# Allegro board RV1106G_COREDLOC_SL_V12_20220907LXF.brd (continued)
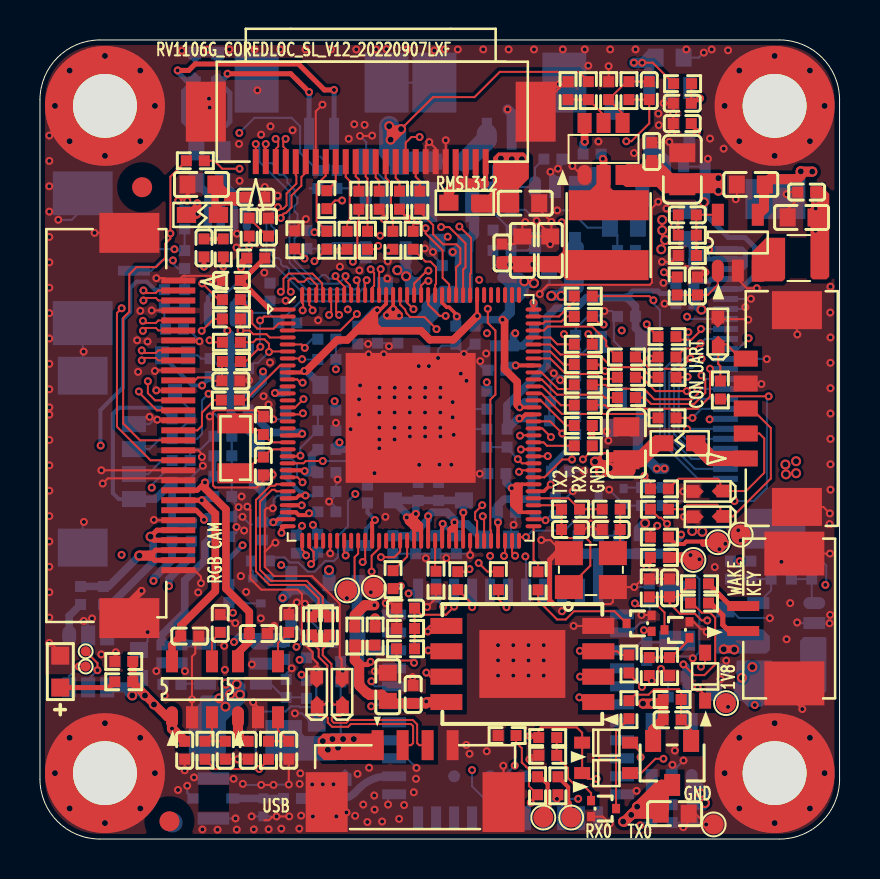
[diagram p0: board, top side]
## Routing (per net, layer and track width the routed paths; a pad name or vN(x,y) marks a point on that pad's centre or on a via; arc(x,y) is an arc through that point) (continued)
N17774412: length 7.7
  TOP w0.102: v1(5.4,22.92) 5.4,22.32 5.76,21.96 J4700.13 ; v1(8.09,25.44) 8.69,26.04 R4700.2
  L4_SIG w0.102: v1(8.09,25.44) 7.76,25.44 7.35,25.03 7.35,24.32 5.96,22.93 5.41,22.93 v1(5.4,22.92)
N17774438: length 8.5
  TOP w0.102: J4700.14 5.85,21.46 4.95,22.36 v1(4.95,22.4) ; v1(8.48,24.97) 8.59,24.87 R4701.2
  L4_SIG w0.102: v1(4.95,22.4) 4.95,22.04 5.05,21.94 5.9,21.94 8.48,24.52 v1(8.48,24.97)
N17774440: length 3.2
  TOP w0.102: J4700.16 7.87,20.46 8.1,20.69 8.1,21.35 8.73,21.97 R4702.2
N17774454: length 16.6
  TOP w0.102: J4700.19 5.53,18.96 3.85,20.64 3.85,26.33 v1(4.09,26.57) ; v1(8.12,27.81) 8.12,27.82 8.94,27 R4703.2
  L4_SIG w0.102: v1(8.12,27.81) 8.12,27.82 7.89,27.59 5.71,27.59 5.28,28.02 4.63,28.02 4.09,27.48 v1(4.09,26.57)
N17788428: length 3.1
  TOP w0.102: U1000.21 11.56,19.51 C1105.1 11.01,18.95 10.82,18.95 10.18,18.31 Y1101.2
N17788438: length 3
  TOP w0.102: Y1101.1 10.39,20.81 10.72,20.47 10.95,20.47 C1104.1 11.57,19.86 U1000.20
N17788440: length 4
  TOP w0.203: U1000.19 13.04,20.21 v1(13.12,20.28)
  BOTTOM w0.381: R1103.1 11.53,20.35 C1107.1 13.05,20.35 v1(13.12,20.28)
N17790176: length 2.3
  BOTTOM w0.102: R2603.1 R2601.2 38.61,11.94 U2600.1
N17790678: length 2.3
  BOTTOM w0.102: U2601.3 30.6,1.73 R2609.2 R2610.1
N17793080: length 2.2
  TOP w0.254: R8207.2 34.56,11.66 J8202.2
N17796273: length 14.4
  TOP w0.102: R5000.2 30.48,27.18 v1(30.69,26.97)
  BOTTOM w0.102: v1(30.69,26.97) 30.69,26.8 31.01,26.48 31.01,19.94 32.92,18.03 J5000.1
N17796299: length 15.5
  TOP w0.102: v1(28.19,25.76) 28.03,25.76 R5002.2
  L3_POW w0.102: v1(28.19,25.76) 28.19,25.32 28.83,24.68 31.52,24.68 32.22,25.38 v1(32.43,25.38)
  BOTTOM w0.102: v1(32.43,25.38) 32.43,24.73 31.25,23.55 31.25,20.04 32.75,18.53 J5000.2
N17796325: length 11
  TOP w0.102: v1(32.54,24.06) 32.02,23.54 30.49,23.54 30.17,23.86 30.17,23.86 29.89,24.13 R5003.2
  BOTTOM w0.102: v1(32.54,24.06) 32.2,24.06 31.48,23.35 31.48,20.13 32.58,19.03 J5000.3
N17796351: length 14.3
  TOP w0.102: R5004.2 27.63,25.08 v1(27.43,25.27)
  L3_POW w0.102: v1(27.43,25.27) 28.26,24.44 32.22,24.44 32.24,24.43 32.77,24.43 33.09,24.1 v1(33.09,24.04)
  BOTTOM w0.102: J5000.4 32.46,19.53 31.72,20.27 31.72,23.16 32.14,23.59 32.64,23.59 v1(33.09,24.04)
N17796377: length 6
  TOP w0.102: R5005.2 32.37,23.11 v1(32.4,23.14)
  BOTTOM w0.102: v1(32.4,23.14) 31.96,22.7 31.96,20.38 32.3,20.03 J5000.5
N17796403: length 8
  TOP w0.102: v1(28.26,23.42) 27.94,23.75 R5006.2
  L3_POW w0.102: v1(32.37,20.52) 32.23,20.52 29.33,23.42 v1(28.26,23.42)
  BOTTOM w0.102: v1(32.37,20.52) 32.38,20.53 J5000.6
N17796429: length 7.9
  TOP w0.102: v1(27.6,20.3) 27.63,20.32 R5007.2
  L3_POW w0.102: v1(27.6,20.3) 28.09,20.78 31.46,20.78 32.12,20.12 32.61,20.12 v1(33.5,21.01)
  BOTTOM w0.102: v1(33.5,21.01) 33.52,21.03 J5000.7
N17796455: length 2.7
  TOP w0.102: v1(32.64,21.08) R5001.2
  BOTTOM w0.102: J5000.8 33.09,21.53 v1(32.64,21.08)
N17796657: length 17.6
  TOP w0.102: v1(27.16,19) 27.44,19.28 27.44,19.5 R5012.2
  L3_POW w0.102: v1(27.16,19) 27.07,19.09 27.07,22.84 28.07,23.84 29.37,23.84 31.59,21.62 32.65,21.62 35.45,24.43 v1(35.45,25.07)
  BOTTOM w0.102: J5000.14 34.92,24.53 v1(35.45,25.07)
N17796683: length 2.8
  TOP w0.102: R5013.2 32.24,24.55 32.79,24.55 v1(33.05,24.81)
  BOTTOM w0.102: J5000.15 33.27,25.03 v1(33.05,24.81)
N17796709: length 2.8
  TOP w0.102: R5014.2 31.97,24.99 32.59,24.99 33.07,25.47 v1(33.07,25.53)
  BOTTOM w0.102: J5000.16 v1(33.07,25.53)
N17807227: length 2.8
  TOP w0.254: LED2600.1 3.45,7.58 R2606.1
N17813337: length 4.1
  TOP w0.102: R2612.2 R2613.2 25.85,4.12 26.42,3.56 26.42,3.05 26.75,2.72 27.15,2.72 27.57,2.3 Q2601.1
N17815019: length 2.6
  TOP w0.254: J8202.1 34.47,10.41 34.16,10.72 34.16,11.2 33.55,11.81 R8208.2
N17835338: length 11
  TOP w0.102: R6005.1 21.36,13.39 v1(21.49,13.51) ; v1(30.21,10.45) 30.28,10.45 30.34,10.39 Q6001.1
  L3_POW w0.102: v1(30.21,10.45) 29.97,10.45 27.44,12.99 23.34,12.99 22.96,13.37 21.63,13.37 v1(21.49,13.51)
N17835407: length 5.8
  TOP w0.102: 24.92,12.5 R6050.2 24.92,11.94 25.87,10.99 26.3,10.99 26.72,11.4 28.08,11.4 28.08,11.41 28.74,11.41 Q6001.3
N17848938: length 1.6
  TOP w0.381: v1(27.26,34.9) 27.24,34.91 U7001.6
  BOTTOM w0.381: C2504.1 27.18,34.82 v1(27.26,34.9)
N17868940: length 3.6
  TOP w0.102: J2501.5 35.06,24.05 34.34,24.77 ED2510.1 33.93,23.78 34.04,23.67 R2520.2
N17870565: length 1.9
  BOTTOM w0.102: D2604.1 12.65,10.87 12.9,10.61 12.9,10.58 13.06,10.43 13.06,10.25 R2611.1 13.23,9.98 12.87,9.62 v1(12.83,9.62)
N17870802: length 1.9
  BOTTOM w0.102: R2623.2 R2622.2 29.25,17.6 Q2621.1
N17871244: length 2.5
  TOP w0.102: R2621.2 R2620.2 31.57,9.09 32.49,10 Q2620.1
N17871360: length 33.4
  TOP w0.102: v1(24.49,5.16) 24.57,5.08 R2612.1 24.95,5.49 25.05,5.59 26.85,5.59 27.12,5.32 D2605.2 D2600.2 27.41,3.01 v1(27.85,3.01) ; D2603.2 33.27,7.2 v1(32.9,7.57)
  L3_POW w0.102: v1(27.85,3.01) 29.95,3.01 30.76,3.82 30.76,4.04 30.77,4.04 30.77,4.72 32.9,6.85 v1(32.9,7.57) ; v1(12.06,13.72) 12.17,13.72 13.67,12.21 13.67,11.66 15.55,9.78 15.55,7.05 16.46,6.15 23.37,6.15 24.36,5.16 v1(24.49,5.16)
  BOTTOM w0.102: D2604.2 12.57,13.31 12.17,13.72 v1(12.06,13.72)
N17903755: length 0.9
  BOTTOM w0.102: Q8201.1 10.65,13.4 10.57,13.48 R6003.2
N17951423: length 18.6
  TOP w0.102: v1(13.23,29.06) 12.75,29.54 R2013.1
  L4_SIG w0.102: v1(13.23,29.06) 13.23,28.4 14.74,26.89 18.77,26.89 19.04,26.62 20.95,26.62 21.29,26.29 21.29,25.32 21.59,25.01 21.59,23.53 22.26,22.87 v1(22.35,22.87)
  BOTTOM w0.102: U2004.5 16.29,29.6 16.06,29.83 14.65,29.83 R2012.2 C2019.2 13.36,29.18 v1(13.23,29.06) ; R2016.2 v1(22.35,22.87)
N17951485: length 3
  BOTTOM w0.102: R2016.1 C2025.1 R2017.1 R2015.2
N17951556: length 3.1
  BOTTOM w0.102: 13.49,32.57 R2011.2 C2024.1 16.07,32.57 16.29,32.35 U2004.1
N17953415: length 3.2
  TOP w0.203: v1(9.17,28.65) R7001.2
  BOTTOM w0.203: U7000.4 8.4,27.12 9.17,27.89 v1(9.17,28.65)
N17953417: length 4.5
  TOP w0.102: R7000.2 v1(10.46,29.67)
  BOTTOM w0.102: U7000.3 9.05,27.03 10.46,28.45 v1(10.46,29.67)
N18319359: length 2.5
  BOTTOM w0.381: ANT6000.1 L6001.1 C6000.2
N18319361: length 5
  BOTTOM w0.381: C6000.1 L6000.1 15.08,2.03 arc(15.43,2.1) 15.73,2.3 16,2.57 arc(16.63,2.99) 17.38,3.14 U6000.2
N20473470: length 1.6
  TOP w0.102: J4500.9 14.79,32.9 R4501.2
N20474650: length 3.9
  TOP w0.102: R4500.2 13.84,30.93 13.84,32.76 14.29,33.21 J4500.8
N20474674: length 3.6
  TOP w0.102: R4502.2 15.37,30.89 15.49,31.01 15.49,32.94 15.29,33.14 J4500.10
N20474698: length 1.5
  TOP w0.102: R4503.2 15.95,33.02 15.79,33.17 J4500.11
N20474729: length 3.5
  TOP w0.102: R4504.2 16.38,33.07 16.29,33.16 J4500.12
N20474753: length 1.6
  TOP w0.102: J4500.13 16.79,33.12 16.97,32.95 R4505.2
N20474777: length 3.6
  TOP w0.102: J4500.14 17.29,33.1 17.56,32.84 17.56,31.19 17.64,31.1 17.65,31.1 R4506.2
N20509787: length 5.6
  TOP w0.102: R2608.2 29.76,7.23 30.45,7.23 30.72,7.5 31.97,7.5 32.07,7.4 R2607.2 C2604.2 32.57,5.47 Q2600.1
N20509839: length 4.8
  TOP w0.102: R2608.1 28.82,5.38 Q2601.3
N20556813: length 2.4
  TOP w0.102: R4708.1 C4709.1 11.91,5.44 U4701.3
N22069287: length 2.4
  TOP w0.102: U4702.3 8.6,5.24 R4712.2 C4720.1
N22215533: length 3.5
  BOTTOM w0.102: U2600.5 36.58,12.45 R2604.1 R2602.2 C2600.2
N22236143: length 2.6
  BOTTOM w0.102: R4711.2 13.28,7.09 C4718.1 12.2,7.09 11.52,7.78 U4703.3

## Copper pours and planes (outline as drawn; the poured copper is in the pictures)
GND on TOP: 3,0.25 1.06,1.06 0.25,3 0.25,37 1.06,38.94 3,39.75 37,39.75 38.94,38.94 39.75,37 39.75,3 38.94,1.06 37,0.25 ; 14 cut-outs
GND on BOTTOM: 3,0.25 1.06,1.06 0.25,3 0.25,37 1.06,38.94 3,39.75 37,39.75 38.94,38.94 39.75,37 39.75,3 38.94,1.06 37,0.25 ; 12 cut-outs
GND on L2_GND: 3,0.25 1.06,1.06 0.25,3 0.25,37 1.06,38.94 3,39.75 37,39.75 38.94,38.94 39.75,37 39.75,3 38.94,1.06 37,0.25
GND on L3_POW: 3,0.25 1.06,1.06 0.25,3 0.25,37 1.06,38.94 3,39.75 37,39.75 38.94,38.94 39.75,37 39.75,3 38.94,1.06 37,0.25 ; 14 cut-outs
GND on L4_SIG: 3,0.25 1.06,1.06 0.25,3 0.25,37 1.06,38.94 3,39.75 37,39.75 38.94,38.94 39.75,37 39.75,3 38.94,1.06 37,0.25 ; 8 cut-outs
GND on L5_GND: 3,0.25 1.06,1.06 0.25,3 0.25,37 1.06,38.94 3,39.75 37,39.75 38.94,38.94 39.75,37 39.75,3 38.94,1.06 37,0.25 ; 2 cut-outs
VCC3V3_STB on BOTTOM (solid shape): 36.65,8.88 36.65,7.16 36.11,6.62 35.41,6.62 34.84,7.19 34.84,8.9 34.9,8.95 36.57,8.95
VCC3V8_SYS on TOP (solid shape): 29.44,29.11 29.44,28.42 29.01,27.98 26.33,27.98 25.92,28.4 23.9,28.4 23.78,28.52 22.92,28.52 22.83,28.61 22.83,28.98 23.03,29.18 25.91,29.18 26.2,29.47 29.09,29.47
VCC3V8_SYS on BOTTOM (solid shape): 36.51,10.15 36.51,9.46 36.34,9.28 33.87,9.28 33.84,9.31 33.84,10.43 33.91,10.5 36.16,10.5
VCC3V8_SYS on L4_SIG: 24.68,29.4 23.06,29.4 22.18,28.51 22.18,27.12 28.57,20.73 28.57,17.17 30.06,15.68 32.06,15.68 32.33,15.41 32.33,15.11 32.45,14.99 33.3,14.99 33.44,15.14 33.44,17.2 32.6,18.04 30.88,18.04 30.43,18.5 30.43,21.11 27.2,24.33 26.8,24.33 24.29,26.84 24.29,27.72 24.95,28.38 24.95,29.13
VCC3V8_SYS on L5_GND: 32.12,16.22 38.36,16.22 39.36,15.23 39.36,10.18 33.5,4.32 33.5,1.3 33.4,1.2 31.79,1.2 29.32,3.67 29.32,6.41 30.16,7.25 31.24,7.25 33.46,9.47 33.46,12.9 31.62,14.74 31.62,15.72
VCC5V0_USB on TOP (solid shape): 17.19,5.07 17.19,4.08 17.06,3.96 14.21,3.96 13.89,4.27 13.89,5.01 14.17,5.28 16.97,5.28
VCC5V0_USB on BOTTOM (solid shape): 13.09,5.31 13.24,5.16 14.4,5.16 14.55,5.31 15.97,5.31 16.3,4.98 16.3,4.17 16.22,4.09 14.99,4.09 14.82,3.93 11.29,3.93 11.29,3.92 11.29,5.95 13.09,5.95
VCC_DDR on TOP (solid shape): 39.48,32.3 39.48,28.16 39.34,28.02 38.66,28.02 38.55,28.13 38.55,30.66 38.51,30.7 38.51,31.54 38.58,31.61 38.58,32.68 39.1,32.68
VCC_DDR on L4_SIG: 19.18,15.77 18.29,15.77 18.16,15.9 18.16,16.52 19.2,17.55 24.15,17.55 27.32,14.38 34.14,14.38 36.62,16.86 36.62,31.87 37,32.25 38.92,32.25 39.09,32.09 39.09,14.8 33.94,9.66 22.86,9.66 20.24,12.28 20.24,15.25 20.42,15.43 20.42,15.98 20.33,16.07 19.48,16.07
VCC_SYS_S0 on TOP (solid shape): 24.46,34.12 24.46,33.07 23.96,32.58 23.96,31.36 23.96,31.36 21.67,31.36 21.59,31.44 21.59,32.25 22.32,32.25 22.33,32.24 22.42,32.24 22.67,32.49 22.67,34.12 22.92,34.37 24.2,34.37
VCC_SYS_S0 on L3_POW: 0.85,9.85 0.85,30.46 6.98,36.59 6.98,37.83 8.22,39.08 22.43,39.08 24.73,36.78 24.73,34.22 24.31,33.81 22.88,33.81 21.74,34.96 21.74,35.07 19.98,36.83 11.43,36.83 10.29,35.69 10.29,32.59 8.82,31.12 7.4,31.12 6.97,30.69 4.81,30.69 1.87,27.75 1.87,18.15 3.44,16.57 3.44,13.13 6.53,10.05 10.05,10.05 10.1,10 11.4,10 13.17,8.23 13.17,6.16 14.22,5.11 19.86,5.11 22.89,2.08 24.18,2.08 24.38,1.88 26.59,1.88 26.68,1.79 27.19,1.79 27.51,2.12 30.04,2.12 30.2,1.96 30.2,1.24 29.55,0.59 20.98,0.59 19.27,2.3 19.27,3.16 19.09,3.33 18.28,3.33 17.44,2.49 15.25,2.49 14.78,2.96 10.66,2.96 9.13,4.49 6.21,4.49
VCC_SYS_S0 on L4_SIG: 17.29,29.17 17.29,28.08 18.47,26.9 20.98,26.9 22.05,27.97 22.05,28.73 22.8,29.48 24.69,29.48 25.11,29.07 25.11,27.04 26.59,25.56 29.32,25.56 29.32,22.56 30.57,21.31 30.57,18.53 30.83,18.28 33.3,18.28 33.62,18.6 33.62,25.3 32.7,26.22 32.7,26.72 34.09,28.11 34.09,29.86 33.88,30.07 32.64,30.07 31.37,28.8 30.93,28.8 30.49,29.24 30.49,30.7 32.36,32.56 38.65,32.56 39.01,32.93 39.01,33.83 38.66,34.18 35.4,34.18 33.96,35.63 33.96,38.21 33.16,39.01 25.55,39.01 21.45,34.92 21.45,30.47 20.61,29.63 17.75,29.63
VCC_SYSIN on BOTTOM (solid shape): 10.28,7.73 10.28,6.89 9.28,5.89 9.28,3.97 9.22,3.91 7.48,3.91 7.45,3.95 7.45,6.25 7.99,6.8 7.99,7.07 8.12,7.2 8.91,7.2 9.03,7.32 9.03,7.9 9.18,8.05 9.96,8.05
VCC_SYSIN on L3_POW: 20.05,36.41 17.06,36.41 16.18,35.53 16.18,33.87 19.1,30.96 30.29,30.96 31.61,32.28 33.49,32.28 35.69,30.07 35.69,22.78 32.79,19.88 31.57,19.88 30.91,20.54 28.5,20.54 27.24,19.28 27.24,18 27.56,17.67 28.93,17.67 29.69,18.44 30.37,18.44 31.3,17.51 38.17,17.51 38.82,18.17 38.82,30.42 33.05,36.2 27.07,36.2 24.49,33.62 22.84,33.62
VCC_SYSIN on L5_GND: 8.62,8.24 8.62,6.47 9.06,6.03 19.41,6.03 20.26,5.18 26.83,5.18 28.09,6.44 28.09,14.63 30,16.55 38.7,16.55 38.96,16.8 38.96,18.91 38.53,19.34 24.76,19.34 16.08,10.65 11.04,10.65
VDD_0V9 on BOTTOM: 29.78,33.47 29.78,31.33 29.52,31.07 29.52,29.2 29.56,29.15 30.76,29.15 30.86,29.26 31.26,29.26 31.43,29.43 31.43,30.13 31.34,30.22 31.34,30.67 31.23,30.77 31.11,30.77 30.54,31.35 30.54,33.58 30.48,33.64 29.96,33.64
VDD_0V9 on L3_POW: 29.72,27.4 23.05,27.4 22.11,28.34 21.87,28.34 21.67,28.14 21.67,27.81 22.52,26.96 23.3,26.96 25.29,24.97 25.29,17.69 24.67,17.07 21.92,17.07 21.45,16.61 21.45,15.98 21.12,15.64 19.48,15.64 19.11,16 19.11,17.06 20.06,18 23.67,18 24.26,18.59 24.26,21.09 24.16,21.09 23.62,21.63 23.62,23.57 22.74,24.45 22.74,25.32 22.32,25.74 21.34,25.74 20.46,26.62 19.85,26.62 19.83,26.6 18.66,27.78 18.66,29.98 19.45,30.78 30.21,30.78 30.73,31.3 31.42,31.3 31.63,31.09 31.63,29.31
N17201563 on TOP (solid shape): 37.27,28.05 37.14,27.92 35.79,27.92 35.61,28.1 35.61,29.38 36.32,30.1 37.27,30.1
N17457803 on BOTTOM (solid shape): 28.3,33.41 28.3,31.81 28.23,31.74 26.83,31.74 26.45,32.12 26.45,33.2 27.15,33.2 27.59,33.64 28.08,33.64
N17758717 on TOP (solid shape): 28.54,33.65 28.54,32.61 28.73,32.42 29.24,32.42 29.85,31.82 29.85,31.35 29.58,31.09 26.99,31.09 26.99,31.94 27.87,32.82 27.87,33.58 28,33.71 28.48,33.71
N17951542 on BOTTOM (solid shape): 19.87,31.36 19.68,31.16 19.3,31.16 18.91,31.55 18.08,31.55 18.01,31.62 18.01,32.72 18.7,32.72 18.85,32.88 19.87,32.88
N22215523 on BOTTOM (solid shape): 39.34,10.05 39.34,7.41 38.81,6.88 38.04,6.88 38.03,6.89 38.03,9.94 38.19,10.1 39.29,10.1

## Text on the board
Ref Des/Silkscreen Bottom: SPK | VBAT | PIR | MIC | MCU_Panel | WIFI
User.Comments: + | 4 | 3 | 2 | 20 | 19 | 1 | P | N | M | L | K | J | H | G | F | E | D | C | B | A | 6 | 8 | 10 | 12 | 14 | 5 | 7 | 9 | 11 | 13
Ref Des/Silkscreen Top: RV1106G_COREDLOC_SL_V12_20220907LXF | USB | RMSL312 | RX0 | TX0 | GND | RGB CAM | TX2 | RX2 | CON_UART | 1V8 | WAKE | KEY
User.13: 168.0 | dia 2.5 | 80.2 | 144.0 | 38.4 | 3.5 | \A1;1.6(PCB)
User.17: FIGURE | SIZE | 7.902 | 11.799 | 125.98 | DRILL CHART: TOP to BOTTOM | ALL UNITS ARE IN MILS | PLATED | QTY | 625 | 97 | 4
